# Altium PCB ultra.PcbDoc (part 8 of 9) (continued)
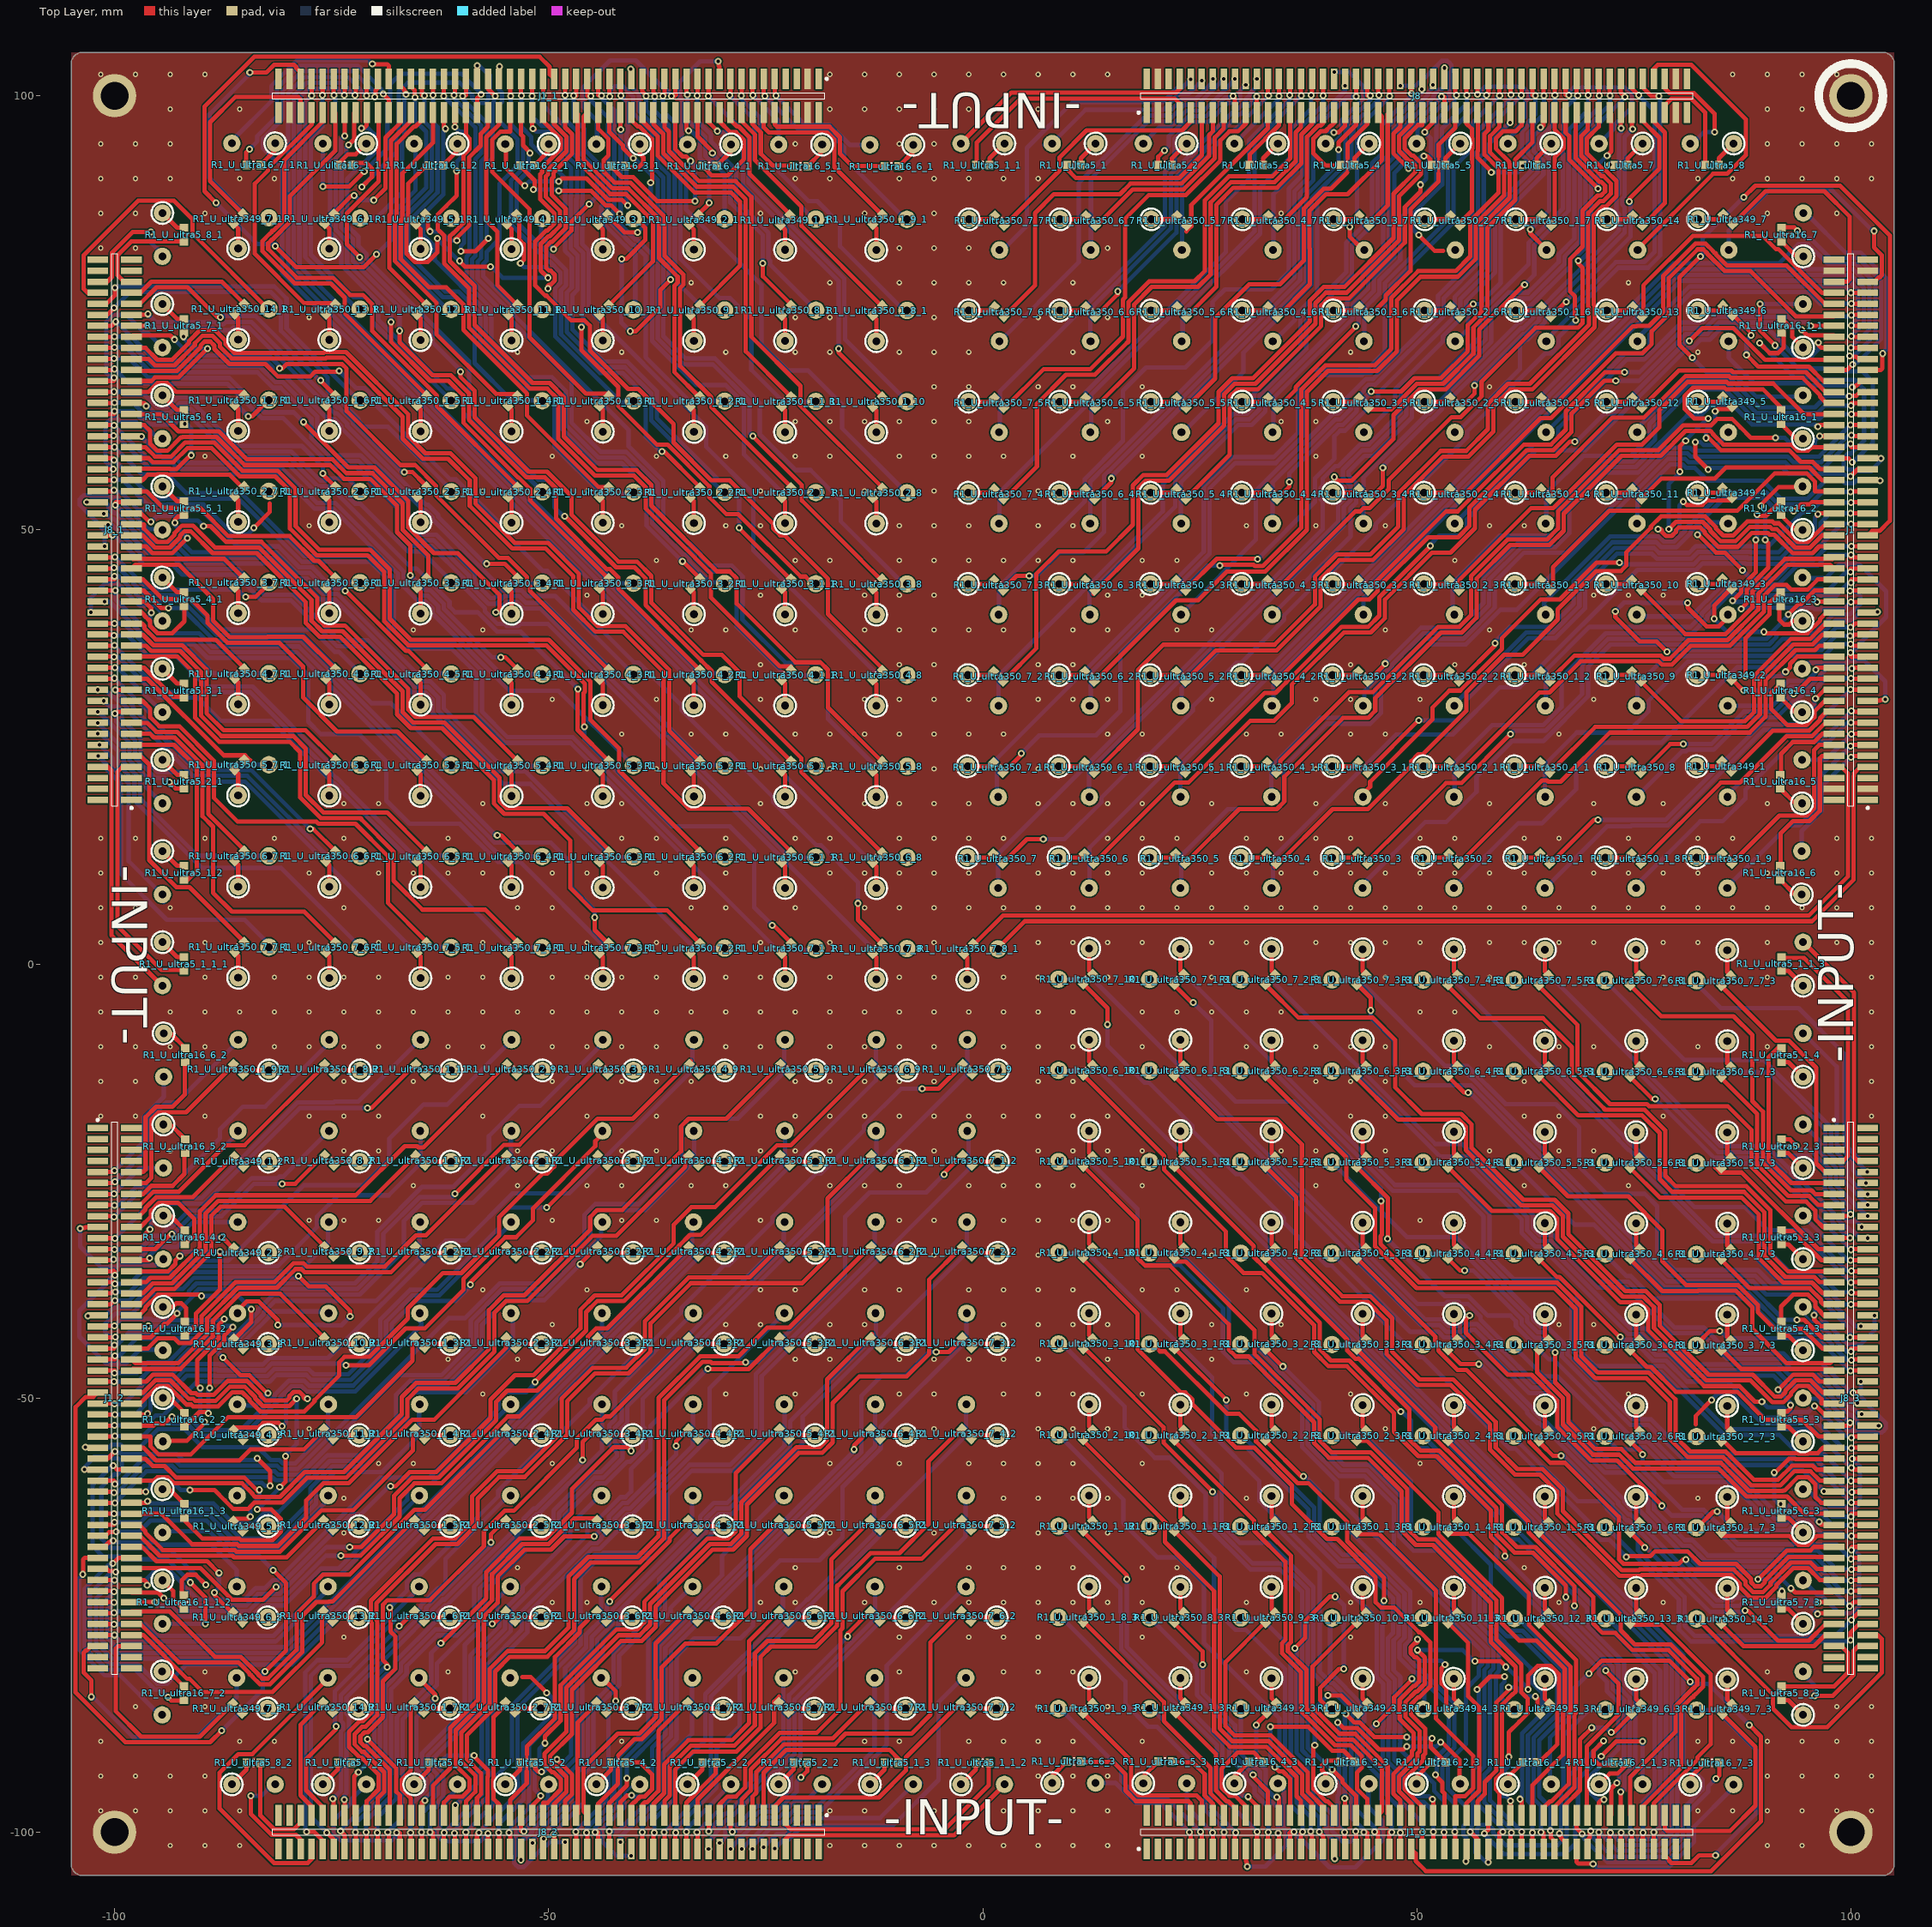
[diagram p0: Top Layer view]
## Nets (pads, with @x,y where several pads share a name; then routed paths per layer and width w, separated by ;. In a path a pad name is that pad's centre, name@x,y a point inside that pad or via, vN(x,y) a via of type N, cw(c..) or ccw(c..) an arc to the next point about the centre after c; other vN are vias at no path point) (continued)
-51.562,-48.311 v2(-51.562,-48.158) ; v2(-96.215,-51.791) -95.85,-51.425 -95.85,-49.42 -94.93,-48.5 -92.768,-48.5 -91.662,-47.394 -88.452,-47.394 -88.401,-47.445 -82.389,-47.445 -81.632,-46.689 -77.636,-46.689 -77.05,-47.275 -73.071,-47.275 -69.374,-43.579 -69.374,-40.946 -65.961,-37.532 -62.861,-37.532 -55.718,-30.389 -55.718,-29.152 -54.632,-28.067 v2(-50.216,-28.067) ; v2(-96.19,-61.874) -95.914,-62.15 -88.61,-62.15 -86.282,-64.478 -84.047,-64.478 -82.714,-63.144 -81.123,-63.144 -75.211,-57.232 -71.512,-57.232 -66.918,-52.638 -66.918,-49.883 -65.717,-48.682 -61.83,-48.682 -57.686,-44.538 -57.686,-41.595 -54.825,-38.735 -50.495,-38.735 v2(-46.355,-34.595) ; v2(-96.164,74.854) -95.268,73.957 -88.424,73.957 -88.139,73.673 -87.476,73.673 -87.192,73.957 -84.251,73.957 -78.103,67.809 -78.103,67.79 -74.395,64.082 -74.149,64.082 -72.568,62.501 -72.568,62.255 -66.98,56.667 v2(-66.624,56.667) ; v2(-96.114,-41.707) -96.108,-41.712 -86.543,-41.712 -86.512,-41.681 -86.385,-41.808 v2(-86.385,-41.834) ; v2(-95.961,-33.884) -95.961,-33.581 -94.98,-32.6 -92.805,-32.6 -91.946,-31.741 -91.946,-31.621 -91.846,-31.521 v2(-87.681,-31.521) ; v2(-95.936,-30.556) -95.8,-30.42 -95.8,-28.42 -94.98,-27.6 -89.678,-27.6 -78.664,-16.586 v2(-70.891,-16.586) ; v2(-95.834,50.902) -95.143,51.593 -93.429,51.593 -93.397,51.625 -92.734,51.625 -92.266,51.157 -92.266,51.069 -90.413,51.069 v2(-89.764,50.419) ; v2(-95.834,84.303) -95.834,83.109 -94.704,81.978 ; v2(-95.758,40.437) -95.758,40.661 -95.982,40.437 -95.9,40.437 -95.9,38.92 -95.08,38.1 -90.28,38.1 -88.751,36.571 -78.796,36.571 -56.731,14.506 -56.731,14.477 -56.224,13.97 -49.759,13.97 -47.396,11.608 -47.396,8.865 -44.704,6.172 v2(-44.704,5.359) ; v2(-95.377,-73.508) -94.935,-73.95 -93.431,-73.95 -92.866,-74.515 -84.529,-74.515 -83.231,-73.218 -80.722,-73.218 -75.677,-68.174 v2(-73.939,-68.174) ; -95.174,-65.354 -89.083,-65.354 -86.319,-68.118 -83.444,-68.118 v2(-81.737,-69.825) ; -94.515,66.244 -93.955,65.684 ; v2(-94.336,-73.05) -94.086,-73.3 -93.162,-73.3 -92.597,-73.865 -84.798,-73.865 -83.501,-72.568 -80.991,-72.568 -75.581,-67.158 -72.949,-67.158 v2(-72.923,-67.183) ; -94.082,-76.022 v2(-89.535,-76.022) ; v2(-93.802,40.996) -92.256,40.996 -88.482,37.221 -78.527,37.221 -56.113,14.808 v2(-55.931,14.808) ; v2(-93.396,-52.146) -93.242,-52.3 -91.376,-52.3 -89.996,-53.681 -85.442,-53.681 -81.547,-49.785 -81.547,-49.621 -79.915,-47.989 -78.175,-47.989 -77.589,-48.575 -72.532,-48.575 -68.074,-44.117 -68.074,-41.484 -65.423,-38.832 -60.727,-38.832 -58.953,-37.059 -59.03,-36.982 v2(-59.03,-36.932) ; v2(-93.396,-31.14) -93.304,-31.14 -91.231,-29.068 -87.691,-29.068 -83.947,-25.324 v2(-80.696,-25.324) ; v2(-93.116,71.933) -91.275,70.091 -82.242,70.091 -80.756,68.605 v2(-81.001,68.605) ; v2(-93.066,50.825) -93.142,50.749 -93.167,50.749 -93.167,50.647 -91.618,49.098 v2(-91.618,49.047) ; v2(-92.812,-40.259) -92.812,-40.132 -90.792,-38.113 -90.792,-37.921 -90.311,-37.44 -72.03,-37.44 -69.067,-34.477 -69.067,-31.083 -64.843,-26.858 -61.174,-26.858 v2(-60.808,-26.492) ; v2(-92.481,-33.655) -91.973,-33.147 v2(-87.859,-33.147) ; v2@-92.05,72.06 -90.881,70.891 v2(-89.306,70.891) ; v2@-91.719,62.23 -91.161,61.671 v2(-91.161,58.598) ; v2(-90.119,-48.844) -90.119,-52.273 v2(-89.662,-52.73) ; v2(-89.992,-38.252) -85.75,-38.252 -84.277,-39.726 v2(-84.277,-39.751) ; v2(-89.205,-51.765) -89.205,-48.997 v2(-89.052,-48.844) ; v2(-88.519,-72.415) -88.519,-72.365 -87.986,-71.831 v2(-87.986,-70.155) ; v2(-88.316,87.655) -83.591,82.931 -81.382,82.931 -81.382,82.804 v2(-81.509,82.677) ; v2(-87.808,74.473) -87.673,74.607 -83.751,74.607 -76.352,67.208 v2(-76.251,67.208) ; v2(-87.655,-88.316) -82.931,-83.591 -82.931,-81.382 -82.804,-81.382 v2(-82.677,-81.509) ; -86.385,94.92 -81.95,99.355 -81.95,101.12 -78.962,104.109 -70.835,104.109 -70.409,103.683 v2(-70.307,103.683) ; -85.868,-50.851 -83.744,-50.851 v2(-82.347,-49.454) ; -85.738,-60.922 -84.595,-59.779 -83.006,-59.779 -82.663,-60.122 v2(-82.093,-60.122) ; v2(-84.455,93.853) -83.55,94.758 -83.55,95.374 -81.3,97.624 -81.3,100.851 -78.692,103.459 -71.963,103.459 -69.228,100.724 -69.228,100.368 v2(-69.063,100.203) ; v2(-84.43,102.667) -84.43,102.514 -89.078,97.866 -89.078,90.526 -84.506,85.954 -81.737,85.954 ; v2(-84.379,-63.678) -84.379,-62.521 -83.337,-61.48 v2(-83.337,-60.579) ; v2(-84.303,-95.834) -83.109,-95.834 -81.978,-94.704 ; v2(-83.566,-62.84) v2@-83.485,-62.84 ; v2@-83.414,-62.84 v2@-83.485,-62.84 ; -81.925,57.065 -81.924,57.066 ; v2(-81.407,-71.755) -81.097,-71.755 -72.71,-63.368 -71.597,-63.368 -68.377,-60.147 -68.351,-60.173 v2(-68.199,-60.173) ; v2(-81.204,-41.605) -75.95,-41.605 -75.923,-41.632 -73.89,-41.632 v2(-72.873,-40.615) ; v2(-80.975,-60.274) -80.975,-60.33 v2@-83.485,-62.84 ; v2(-80.696,-53.264) -80.247,-52.815 -80.247,-50.159 -79.376,-49.289 -78.713,-49.289 -77.939,-50.063 v2(-77.775,-50.063) ; v2(-80.315,-56.718) -80.264,-56.667 -80.264,-56.5 -80.249,-56.5 -79.045,-55.296 v2(-79.045,-50.089) ; v2(-77.902,-99.974) -78.05,-99.826 -78.05,-81.606 -76.626,-80.182 -73.19,-80.182 -64.627,-71.619 ; v2(-77.318,100.025) -78.05,99.293 -78.05,81.428 -72.2,75.578 ; v2(-76.048,100.051) -76.048,96.432 -77.4,95.08 -77.4,81.697 -72.52,76.818 -71.152,76.818 -70.289,75.954 -70.289,73.946 -61.62,65.278 ; v2(-76.022,89.535) -76.022,94.082 ; v2(-75.565,-100.051) -77.4,-98.216 -77.4,-82.012 -76.22,-80.832 -72.921,-80.832 -67.54,-75.451 -66.877,-75.451 -66.864,-75.463 -66.07,-75.463 -64.732,-74.125 -64.732,-73.88 -62.77,-71.918 -62.525,-71.918 -61.864,-71.257 -61.864,-68.494 -55.042,-61.671 ; v2(-74.854,-96.164) -73.957,-95.268 -73.957,-88.424 -73.673,-88.139 -73.673,-87.476 -73.957,-87.192 -73.957,-84.251 -67.809,-78.103 -67.79,-78.103 -64.082,-74.395 -64.082,-74.149 -62.501,-72.568 -62.255,-72.568 -56.667,-66.98 v2(-56.667,-66.624) ; v2(-74.727,100.051) -74.6,99.924 -74.6,93.7 -75.165,93.135 -75.165,84.26 -73.868,82.962 -73.868,80.452 -69.639,76.223 -69.639,74.215 -61.716,66.293 -60.652,66.293 -59.832,65.473 -59.832,63.49 -50.721,54.379 ; v2(-74.473,-87.808) -74.607,-87.673 -74.607,-83.751 -67.208,-76.352 v2(-67.208,-76.251) ; v2(-74.143,68.301) -72.16,66.318 -71.152,66.318 -70.332,65.498 -70.332,64.795 -61.33,55.793 -60.652,55.793 -55.668,50.808 -55.668,50.252 -50.683,45.268 -50.152,45.268 -45.168,40.283 -45.168,39.727 -40.183,34.743 -39.652,34.743 -34.668,29.758 -34.668,29.202 -29.683,24.218 -29.152,24.218 -24.168,19.233 -24.168,18.677 -19.183,13.693 -18.652,13.693 -14.376,9.417 v2(-14.376,6.985) ; v2(-73.965,-99.847) -73.965,-99.797 -69.5,-95.332 -69.5,-92.843 -69.441,-92.785 -69.441,-82.512 -68.73,-81.801 -68.249,-81.801 -67.691,-81.243 -67.691,-80.366 -62.782,-75.457 -62.782,-74.688 -61.962,-73.868 -61.717,-73.868 -52.257,-64.408 -52.257,-64.188 -51.437,-63.368 -51.213,-63.368 -43.866,-56.021 -43.866,-50.343 ; v2(-73.533,-96.266) -73.533,-95.763 -73.307,-95.537 -73.307,-88.75 -73,-88.443 -73,-86.655 -73.307,-86.348 -73.307,-84.52 -67.54,-78.753 -67.521,-78.753 -63.432,-74.664 -63.432,-74.419 -62.231,-73.218 -61.986,-73.218 -52.907,-64.139 -52.907,-63.919 -51.706,-62.718 -51.486,-62.718 -46.101,-57.333 v2(-46.101,-57.125) ; v2(-73.533,100.051) -74.333,100.851 -76.379,100.851 -76.404,100.825 -77.649,100.825 -78.7,99.774 -78.7,80.406 -62.632,64.338 -62.632,64.288 -42.21,43.866 -40.742,43.866 ; v2(-73.508,95.377) -73.95,94.935 -73.95,93.431 -74.515,92.866 -74.515,84.529 -73.218,83.231 -73.218,80.722 -68.174,75.677 v2(-68.174,73.939) ; v2(-73.05,94.336) -73.3,94.086 -73.3,93.162 -73.865,92.597 -73.865,84.798 -72.568,83.501 -72.568,80.991 -67.158,75.581 -67.158,72.949 v2(-67.183,72.923) ; v2(-72.415,88.519) -72.365,88.519 -71.831,87.986 v2(-70.155,87.986) ; v2(-72.314,100.051) -73.764,101.501 -77.893,101.501 -79.35,100.043 -79.35,80.136 -63.282,64.069 -63.282,64.019 -32.741,33.477 -29.732,33.477 ; v2(-72.263,-100) -72.263,-99.014 -68.85,-95.601 -68.85,-93.112 -68.791,-93.054 -68.791,-83.263 -67.005,-81.476 -67.005,-80.599 -63.074,-76.668 -60.802,-76.668 -58.598,-74.463 -58.598,-71.668 -53.098,-66.168 -50.277,-66.168 -49.457,-65.348 -49.457,-62.978 -45.011,-58.532 -43.993,-58.532 -42.139,-56.678 -42.139,-56.28 -43.032,-55.386 -43.032,-53.149 -42.382,-52.499 -42.382,-49.24 -33.359,-40.217 ; v2@-72.06,-92.05 -70.891,-90.881 v2(-70.891,-89.306) ; v2(-71.933,-93.116) -70.091,-91.275 -70.091,-82.242 -68.605,-80.756 v2(-68.605,-81.001) ; v2(-71.755,81.407) -71.755,81.097 -63.368,72.71 -63.368,71.597 -60.147,68.377 -60.173,68.351 v2(-60.173,68.199) ; v2(-71.577,96.241) -70.761,96.241 -69.6,95.08 -69.6,93.92 -71.458,92.062 -71.578,92.062 -73.215,90.425 -73.215,85.067 -71.918,83.77 -71.918,82.701 -70.955,81.738 -70.955,81.217 -59.182,69.444 -59.182,63.759 -51.191,55.768 -50.152,55.768 -49.332,54.948 -49.332,52.583 -48.311,51.562 v2(-48.158,51.562) ; v2(-71.526,89.484) -71.526,89.535 -67.55,93.511 -67.55,95.324 -67.274,95.6 -67.274,100.456 -66.206,101.524 -60.274,101.524 -58.801,100.051 -58.801,99.67 -58.318,99.187 -57.328,99.187 -56.959,99.555 -56.959,100.306 -56.769,100.496 -56.769,102.387 ; -71.374,85.928 -69.825,85.928 -66.9,88.853 -66.9,95.055 -66.624,95.331 -66.624,100.152 v2(-66.446,100.152) ; -71.272,-94.259 -71.272,-94.742 -72.733,-96.203 -72.733,-96.597 -74.765,-98.629 -74.765,-100.179 -74.004,-100.94 -68.047,-100.94 -67.513,-100.406 v2(-67.513,-100.076) ; v2(-71.247,91.262) -68.58,93.929 -68.58,98.984 -68.25,99.314 -68.25,101.346 -67.081,102.514 -60.02,102.514 v2@-57.975,100.47 ; v2(-71.018,-100.025) -71.018,-98.689 -68.194,-95.865 -68.194,-95.624 -68.2,-95.618 -68.2,-93.382 -68.141,-93.323 -68.141,-83.532 -66.355,-81.746 -66.355,-80.868 -62.805,-77.318 -60.533,-77.318 -57.948,-74.732 -57.948,-71.937 -52.828,-66.818 -50.008,-66.818 -48.807,-65.617 -48.807,-63.248 -44.742,-59.182 -43.724,-59.182 -41.489,-56.947 -41.489,-56.011 -42.382,-55.117 -42.382,-53.419 -41.589,-52.625 -41.589,-50.458 -22.911,-31.78 -22.911,-29.972 ; v2(-70.993,100.025) -73.127,102.159 -78.154,102.159 -80,100.313 -80,79.817 -22.967,22.784 -19.685,22.784 ; v2(-70.028,99.873) -70.028,100.355 -72.481,102.809 -78.423,102.809 -80.65,100.582 -80.65,97.355 -82.9,95.105 -82.9,93.945 -80.696,91.741 -80.696,79.594 -13.421,12.319 -8.23,12.319 ; v2(-69.825,81.737) -68.118,83.444 -68.118,86.319 -65.354,89.083 -65.354,95.174 ; v2(-69.748,-100.076) -69.748,-98.338 -67.544,-96.134 -67.544,-95.355 -67.55,-95.349 -67.55,-93.651 -67.491,-93.592 -67.491,-86.761 -63.543,-82.812 -63.543,-79.367 v2(-62.408,-78.232) ; v2(-68.529,-100.025) -68.529,-99.961 -67.845,-99.276 -67.78,-99.276 -66.894,-98.39 -66.894,-95.085 -66.9,-95.08 -66.9,-93.92 -66.841,-93.862 -66.841,-87.03 -62.893,-83.081 -62.893,-80.597 -57.298,-75.002 -57.298,-72.206 -52.559,-67.468 -49.739,-67.468 -48.157,-65.886 -48.157,-63.517 -44.473,-59.832 -43.454,-59.832 -40.95,-57.328 -40.589,-57.328 -39.147,-55.885 -39.147,-55.062 -38.932,-54.848 -38.932,-53.474 -39.147,-53.259 -39.147,-50.06 -1.778,-12.691 -1.778,-8.103 ; v2(-68.301,-74.143) -66.318,-72.16 -66.318,-71.152 -65.498,-70.332 -64.795,-70.332 -55.793,-61.33 -55.793,-60.652 -50.808,-55.668 -50.252,-55.668 -45.268,-50.683 -45.268,-50.152 -40.283,-45.168 -39.727,-45.168 -34.743,-40.183 -34.743,-39.652 -29.758,-34.668 -29.202,-34.668 -24.218,-29.683 -24.218,-29.152 -19.233,-24.168 -18.677,-24.168 -13.693,-19.183 -13.693,-18.652 -9.417,-14.376 v2(-6.985,-14.376) ; -66.244,-94.515 -65.684,-93.955 ; v2(-65.938,44.755) -64.241,43.057 -63.649,43.057 -62.068,41.476 -62.068,40.884 -56.515,35.331 v2(-55.499,35.331) ; v2(-65.913,-100.051) -65.913,-99.247 -65.594,-98.929 -65.594,-96.574 -64.1,-95.08 -64.1,-93.92 -65.227,-92.793 -65.227,-86.766 v2(-63.068,-84.607) ; v2(-65.405,99.822) -65.405,97.18 -64.1,95.875 -64.1,89.418 -67.468,86.05 -67.468,81.158 -61.595,75.286 ; v2(-64.643,-100) -64.643,-97.905 -63.437,-96.699 -63.437,-96.255 -62.8,-95.618 -62.8,-93.382 -63.927,-92.254 -63.927,-91.187 -59.015,-86.274 -59.015,-82.733 -59.016,-82.731 -59.016,-79.655 -55.69,-76.328 -55.69,-75.665 -55.899,-75.457 -55.899,-73.12 -54.966,-72.187 ; v2(-64.287,100.025) -64.287,96.982 -63.45,96.144 -63.45,89.148 -66.818,85.781 -66.818,81.428 -62.183,76.793 -60.652,76.793 -58.532,74.672 -58.532,69.2 -54.254,64.922 -50.732,64.922 ; v2(-64.237,-96.368) -64.237,-96.136 -63.45,-95.349 -63.45,-93.651 -64.577,-92.524 -64.577,-90.918 -59.665,-86.005 -59.665,-83.002 -59.666,-83.001 -59.666,-78.442 -57.221,-75.997 v2(-56.49,-75.997) ; v2(-63.678,84.379) -62.521,84.379 -61.48,83.337 v2(-60.579,83.337) ; v2(-63.652,-100) -63.652,-97.834 -62.787,-96.968 -62.787,-96.524 -62.15,-95.888 -62.15,-93.112 -63.277,-91.985 -63.277,-91.456 -58.365,-86.544 -58.365,-82.464 -58.366,-82.462 -58.366,-79.924 -55.04,-76.597 -55.04,-74.334 -53.018,-72.312 -53.018,-71.712 -47.507,-66.202 -47.507,-64.627 -44.003,-61.122 ; v2(-63.322,100.051) -63.322,96.936 -62.8,96.413 -62.8,88.879 -66.168,85.511 -66.168,81.697 -61.914,77.443 -60.383,77.443 -57.882,74.942 -57.882,71.242 -52.907,66.268 -50.152,66.268 -49.332,65.448 -49.332,59.543 -43.942,54.153 -40.232,54.153 ; v2@-62.84,83.414 v2@-62.84,83.485 ; v2(-62.84,83.566) v2@-62.84,83.485 ; v2@-62.23,-91.719 -61.671,-91.161 v2(-58.598,-91.161) ; v2(-62.078,99.974) -58.45,96.347 -58.45,93.626 -59.1,92.976 -59.1,81.822 -59.468,81.454 -59.468,78.366 -56.582,75.48 -56.582,71.781 -52.369,67.568 -49.614,67.568 -48.032,65.986 -48.032,62.099 -44.269,58.336 -41.326,58.336 -38.085,55.095 -38.085,50.764 -34.476,47.155 -34.263,47.155 -33.795,46.686 -33.795,46.368 -31.369,43.942 -30.099,43.942 ; v2(-62.052,-100.051) -57.7,-95.698 -57.7,-93.382 -57.065,-92.746 -57.065,-80.671 -53.107,-76.713 -53.107,-74.593 -45.252,-66.738 -44.423,-66.738 -43.955,-66.27 -43.955,-66.058 -42.407,-64.51 -42.407,-63.919 -41.206,-62.718 -40.615,-62.718 -33.401,-55.504 -33.401,-50.114 ; v2(-61.874,96.19) -62.15,95.914 -62.15,88.61 -64.478,86.282 -64.478,84.047 -63.144,82.714 -63.144,81.123 -57.232,75.211 -57.232,71.512 -52.638,66.918 -49.883,66.918 -48.682,65.717 -48.682,61.83 -44.538,57.686 -41.595,57.686 -38.735,54.825 -38.735,50.495 v2(-34.595,46.355) ; -60.922,85.738 -59.779,84.595 -59.779,83.006 -60.122,82.663 v2(-60.122,82.093) ; v2(-60.884,100.051) -60.884,99.7 -57.8,96.616 -57.8,93.357 -58.45,92.707 -58.45,81.553 -58.818,81.185 -58.818,78.636 -47.382,67.2 -47.382,62.368 -44,58.986 -41.057,58.986 -37.435,55.364 -37.435,51.034 -34.206,47.805 -33.994,47.805 -33.145,46.956 -33.145,46.637 -31.726,45.218 -29.152,45.218 -28.332,44.398 -28.332,38.822 -22.733,33.223 -19.66,33.223 ; v2(-60.833,-100.127) -60.833,-99.751 -57.05,-95.968 -57.05,-93.651 -56.415,-93.015 -56.415,-80.94 -52.457,-76.982 -52.457,-74.862 -44.983,-67.388 -44.154,-67.388 -41.757,-64.991 -41.757,-64.188 -40.937,-63.368 -40.346,-63.368 -31.471,-54.493 -31.471,-48.87 -23.178,-40.576 ; v2(-60.808,96.393) -60.29,95.875 -59.92,95.875 -59.1,95.055 -59.1,93.895 -60.604,92.391 v2(-60.604,91.313) ; v2(-60.757,-96.901) -58.35,-94.494 -58.35,-93.112 -57.715,-92.477 -57.715,-82.194 -57.716,-82.193 -57.716,-81.654 -57.715,-81.653 -57.715,-81.28 -57.716,-81.278 -57.716,-80.193 -54.39,-76.867 -54.39,-75.472 -54.331,-75.413 -54.331,-74.544 -45.555,-65.768 -45.555,-65.228 -41.745,-61.418 -41.153,-61.418 -40.515,-60.78 -40.515,-58.173 -38.282,-55.94 -38.282,-53.243 v2(-31.674,-46.634) ; -60.63,-95.098 -61.5,-95.968 -61.5,-96.157 -62.137,-96.793 -62.137,-97.237 -62.459,-97.559 -62.459,-99.326 -62.852,-99.719 -62.852,-100.382 -62.168,-101.067 -57.887,-101.067 v2(-56.998,-100.178) ; v2(-60.274,80.975) -60.33,80.975 v2@-62.84,83.485 ; v2(-59.919,99.949) -59.919,99.654 -57.15,96.885 -57.15,93.087 -57.8,92.437 -57.8,81.284 -58.168,80.915 -58.168,78.905 -40.788,61.524 -40.788,59.636 -36.785,55.633 -36.785,51.303 -33.937,48.455 -33.725,48.455 -32.495,47.225 -32.495,46.906 -31.456,45.868 -28.883,45.868 -27.682,44.667 -27.682,39.671 -22.704,34.693 -18.652,34.693 -17.832,33.873 -17.832,28.246 -12.446,22.86 -9.093,22.86 ; v2(-59.538,-100) -56.4,-96.862 -56.4,-93.92 -54.225,-91.745 -54.225,-85.417 -46.99,-78.181 -46.99,-70.315 -44.714,-68.038 -43.885,-68.038 -43.665,-67.818 -38.379,-67.818 -36.957,-66.396 -36.957,-60.898 -33.767,-57.709 -29.083,-57.709 -26.111,-54.737 -26.111,-47.219 -12.446,-33.553 -12.446,-30.328 ; v2(-58.242,103.454) -57.963,103.454 -56.832,102.324 ; v2(-58.039,-100.051) -53.543,-95.555 -53.543,-94.237 -53.575,-94.205 -53.575,-85.686 -46.34,-78.45 -46.34,-70.584 -44.444,-68.688 -43.616,-68.688 -43.395,-68.468 -38.11,-68.468 -36.307,-66.665 -36.307,-61.168 -33.498,-58.359 -28.814,-58.359 -25.461,-55.006 -25.461,-47.488 -1.651,-23.678 -1.651,-19.888 ; -57.066,-81.924 -57.065,-81.925 ; v2(-56.947,83.566) -57.125,83.566 -57.15,83.591 -57.15,92.168 -56.439,92.879 -56.439,99.157 -56.309,99.286 -56.309,99.824 v2(-56.159,99.974) ; v2(-56.718,80.315) -56.667,80.264 -56.5,80.264 -56.5,80.249 -55.296,79.045 v2(-50.089,79.045) ; v2(-56.083,40.513) -56.067,40.513 -54.848,41.732 -53.688,41.732 -52.895,40.939 -50.933,40.939 -22.237,12.243 -19.232,12.243 ; v2(-55.753,-100.051) -55.753,-99.071 -52.893,-96.212 -52.893,-93.968 -52.925,-93.935 -52.925,-89.766 -49.507,-86.348 -49.507,-84.656 -50.19,-83.972 v2(-50.216,-83.972) ; v2(-55.651,103.353) -55.651,100.75 -55.728,100.674 -55.359,100.306 -55.359,99.317 -55.728,98.949 -55.728,97.157 -53.6,95.03 -53.6,91.915 -55.651,89.863 -55.651,83.515 -57.15,82.017 -57.15,81.014 -57.518,80.646 -57.518,79.174 -53.757,75.413 -51.308,75.413 ; v2(-54.585,-100.051) -54.307,-99.773 -54.307,-99.23 -52.243,-97.166 -52.243,-93.698 -52.275,-93.666 -52.275,-90.035 -48.082,-85.842 -48.082,-81.112 -45.69,-78.72 -45.69,-77.237 -43.942,-75.489 -43.942,-72.111 ; v2(-54.381,99.949) -54.381,96.731 -52.95,95.299 -52.95,91.645 -54.331,90.265 -54.331,85.173 -50.054,80.897 -49.89,80.897 -48.639,79.645 -48.639,78.444 -49.225,77.858 -49.225,72.263 -41.63,64.667 -41.352,64.667 -41.097,64.922 -41.046,64.922 -40.996,64.973 -40.691,64.973 ; v2(-53.264,80.696) -52.815,80.247 -50.159,80.247 -49.289,79.376 -49.289,78.713 -50.063,77.939 v2(-50.063,77.775) ; v2(-53.188,-103.2) -53.188,-101.08 -52.805,-100.698 -52.526,-100.698 -52.047,-100.219 -52.047,-100.161 -51.897,-100.011 -51.897,-99.781 -51.503,-99.387 -51.503,-99.384 -50.273,-98.154 -50.27,-98.154 -50.05,-97.934 -50.032,-97.934 -47.95,-95.852 -47.95,-92.571 -46.782,-91.403 -46.782,-81.65 -44.39,-79.258 -44.39,-77.775 -42.642,-76.027 -42.642,-74.367 -33.503,-65.227 -33.503,-61.011 ; v2(-53.137,100) -53.137,96.405 -51.994,95.262 -51.994,94.375 -48.538,90.919 -48.513,90.919 -48.044,90.451 -48.044,89.788 -48.095,89.737 -48.095,89.435 -48.044,89.384 -48.044,88.721 -48.095,88.67 -48.095,82.119 -47.339,81.363 -47.339,77.906 -47.925,77.319 -47.925,72.801 -43.848,68.724 -41.215,68.724 -38.182,65.692 -38.182,62.592 -29.82,54.23 ; v2(-52.857,-99.898) -52.703,-99.898 -52.547,-99.742 -52.547,-99.509 -50.322,-97.284 -50.301,-97.284 -48.6,-95.583 -48.6,-92.302 -47.432,-91.134 -47.432,-81.381 -45.04,-78.989 -45.04,-77.506 -43.292,-75.758 -43.292,-73.772 v2(-42.977,-73.457) ; v2(-52.73,89.662) -52.273,90.119 v2(-48.844,90.119) ; v2(-52.146,93.396) -52.3,93.242 -52.3,91.376 -53.681,89.996 -53.681,85.442 -49.785,81.547 -49.621,81.547 -47.989,79.915 -47.989,78.175 -48.575,77.589 -48.575,72.532 -44.117,68.074 -41.484,68.074 -38.832,65.423 -38.832,60.727 -37.059,58.953 -36.982,59.03 v2(-36.932,59.03) ; v2(-51.892,99.974) -51.892,97.587 -50.805,96.5 -49.151,96.5 -47.85,95.199 -47.85,93.037 -46.744,91.932 -46.744,88.183 -46.795,88.132 -46.795,82.658 -46.039,81.902 -46.039,73.671 -46.228,73.482 v2(-46.228,73.355) ; v2(-51.867,-101.244) -51.867,-100.958 -51.397,-100.488 -51.397,-100.43 -51.247,-100.28 -51.247,-100.05 -50.853,-99.656 -50.853,-99.653 -50.004,-98.804 -50.001,-98.804 -49.781,-98.584 -49.763,-98.584 -47.3,-96.122 -47.3,-92.84 -46.132,-91.672 -46.132,-81.92 -43.74,-79.527 -43.74,-78.045 -41.992,-76.297 -41.992,-74.636 -32.557,-65.201 -32.557,-63.649 -30.976,-62.068 -29.424,-62.068 -22.835,-55.478 -22.835,-51.206 ; v2(-51.791,96.215) -51.425,95.85 -49.42,95.85 -48.5,94.93 -48.5,92.768 -47.394,91.662 -47.394,88.452 -47.445,88.401 -47.445,82.389 -46.689,81.632 -46.689,77.636 -47.275,77.05 -47.275,73.071 -43.579,69.374 -40.946,69.374 -37.532,65.961 -37.532,62.861 -30.389,55.718 -29.152,55.718 -28.067,54.632 v2(-28.067,50.216) ; v2(-51.765,89.205) -48.997,89.205 v2(-48.844,89.052) ; v2(-50.902,-95.834) -51.593,-95.143 -51.593,-93.429 -51.625,-93.397 -51.625,-92.734 -51.157,-92.266 -51.069,-92.266 -51.069,-90.413 v2(-50.419,-89.764) ; -50.851,85.868 -50.851,83.744 v2(-49.454,82.347) ; v2(-50.825,-93.066) -50.749,-93.142 -50.749,-93.167 -50.647,-93.167 -49.098,-91.618 v2(-49.047,-91.618) ; v2(-50.673,100.025) -50.673,98.941 -47.2,95.468 -47.2,93.307 -46.094,92.201 -46.094,87.913 -46.145,87.863 -46.145,82.927 -45.389,82.171 -45.389,75.408 -32.688,62.707 -32.688,62.682 -31.868,61.862 -31.868,59.579 -26.416,54.127 -26.416,47.625 -12.243,33.452 -8.255,33.452 ; v2(-50.597,-100.762) -50.597,-100.319 -50.203,-99.925 -50.203,-99.922 -49.734,-99.454 -49.731,-99.454 -49.512,-99.234 -49.493,-99.234 -46.645,-96.386 -46.645,-93.104 -45.482,-91.942 -45.482,-85.752 -42.543,-82.812 -42.543,-79.408 -37.262,-74.127 -37.262,-70.825 -31.907,-65.47 -31.907,-63.919 -30.706,-62.718 -29.155,-62.718 -22.185,-55.748 -22.185,-52.665 -12.319,-42.799 -12.319,-40.488 ; -50.102,-94.132 -50.102,-96.166 -50.57,-96.634 -50.592,-96.634 -53.056,-99.098 -53.189,-99.098 -53.657,-99.567 -53.657,-100.043 -53.785,-100.17 -53.785,-100.758 -53.838,-100.811 -53.838,-102.719 -53.988,-102.869 -53.988,-103.532 -53.785,-103.735 -53.785,-103.797 -53.722,-103.797 -53.519,-104 -52.856,-104 -50.418,-101.562 -50.265,-101.562 -49.846,-101.143 v2(-48.108,-101.143) ; v2(-49.403,-100.254) -49.403,-100.063 -45.995,-96.655 -45.995,-93.374 -44.832,-92.211 -44.832,-86.021 -41.893,-83.081 -41.893,-79.677 -36.612,-74.396 -36.612,-71.094 -31.257,-65.74 -31.257,-64.188 -30.437,-63.368 -28.885,-63.368 -20.732,-55.215 -20.732,-52.131 -1.829,-33.228 -1.829,-30.48 ; v2(-48.108,100.051) -48.108,97.295 -46.55,95.738 -46.55,93.576 -44.4,91.426 -44.4,88.467 -44.856,88.011 -45.339,87.528 v2(-45.339,87.503) ; v2(-47.117,100.025) -47.117,97.409 -45.9,96.192 -45.9,93.845 -43.75,91.695 -43.75,87.439 -43.934,87.255 -43.934,85.516 -41.851,83.433 -41.851,83.407 -40.621,82.177 -40.394,82.177 -40.03,81.813 -40.03,75.819 ; v2(-46.888,-99.974) -46.888,-99.895 -44.167,-97.174 -44.088,-97.174 -43.355,-96.441 -43.355,-95.621 -43.1,-95.366 -43.1,-85.772 -42.291,-84.963 v2(-42.291,-84.912) ; v2(-45.872,27.305) -45.872,25.857 -35.865,15.85 -29.134,15.85 -26.314,13.03 -26.314,6.528 v2(-24.232,4.445) ; v2(-45.644,-100.076) -45.644,-99.57 -43.897,-97.824 -43.818,-97.824 -42.705,-96.711 -42.705,-95.89 -42.45,-95.635 -42.45,-91.872 -38.521,-87.943 -38.521,-77.225 -35.962,-74.666 -35.962,-74.163 -33.63,-71.831 ; v2(-45.136,99.974) -45.136,99.466 -43.1,97.431 -43.1,96.771 -43.157,96.714 -43.157,95.513 -43.1,95.456 -43.1,87.17 -43.284,86.986 -43.284,85.785 -41.201,83.702 -41.201,83.677 -40.352,82.827 -40.125,82.827 -38.832,81.534 -38.832,69.896 -33.807,64.872 -29.362,64.872 ; v2(-44.755,-65.938) -43.057,-64.241 -43.057,-63.649 -41.476,-62.068 -40.884,-62.068 -35.331,-56.515 v2(-35.331,-55.499) ; v2(-44.628,-100.025) -44.628,-99.473 -43.628,-98.474 -43.549,-98.474 -42.055,-96.98 -42.055,-96.16 -41.8,-95.904 -41.8,-92.141 -37.871,-88.212 -37.871,-78.257 -30.023,-70.409 -30.023,-68.174 -23.292,-61.443 ; -44.425,94.209 -44.425,97.104 -46.025,98.704 -46.025,100.965 -42.926,104.064 -39.954,104.064 -36.639,100.749 -36.499,100.749 -36.03,100.28 -36.03,100.14 v2(-35.865,99.974) ; v2(-43.917,100.025) -43.917,99.827 -43.751,99.662 -43.751,99.592 -43.283,99.124 -43.213,99.124 -42.45,98.36 -42.45,96.502 -42.507,96.445 -42.507,95.782 -42.45,95.725 -42.45,86.901 -42.634,86.717 -42.634,86.054 -40.551,83.971 -40.551,83.946 -40.082,83.477 -39.856,83.477 -38.09,81.711 -38.09,71.76 -33.004,66.675 -29.61,66.675 -27.508,64.574 -27.508,58.699 -23.165,54.356 -19.66,54.356 ; v2(-43.028,-99.924) -42.024,-99.924 -37.45,-95.349 -37.45,-90.549 -35.921,-89.02 -35.921,-79.065 -14.237,-57.381 -14.208,-57.381 -12.395,-55.568 -12.395,-50.952 ; v2(-42.951,99.924) -42.951,100.533 -42.393,101.092 -41.453,101.092 -40.236,99.875 -40.236,97.961 -38.1,95.825 -38.1,91.699 -37.843,91.442 -37.652,91.442 -36.79,90.58 -36.79,72.299 -34.208,69.717 -30.814,69.717 -25.692,64.596 -25.692,61.024 -21.539,56.871 -19.83,56.871 -16.332,53.373 -16.332,50.952 -9.148,43.768 -8.732,43.768 ; v2(-41.834,86.385) -41.808,86.385 -41.681,86.512 -41.712,86.543 -41.712,96.108 v2(-41.707,96.114) ; v2(-41.732,-101.143) -41.732,-100.551 -36.8,-95.618 -36.8,-90.818 -35.271,-89.289 -35.271,-79.715 -33.255,-77.699 -27.915,-77.699 -26.492,-76.276 -26.492,-71.857 -23.343,-68.707 -18.821,-68.707 -16.154,-66.04 -16.154,-60.247 -11.745,-55.838 -11.745,-53.274 -1.88,-43.409 -1.88,-40.232 ; v2(-41.681,100.025) -41.681,99.974 -40.907,99.2 -40.907,95.782 -41.057,95.632 -41.057,94.374 -41.059,94.371 -41.059,92.48 -41.057,92.478 -41.057,87.287 -40.912,87.143 v2(-40.912,87.355) ; v2(-41.605,81.204) -41.605,75.95 -41.632,75.923 -41.632,73.89 v2(-40.615,72.873) ; -41.225,-96.609 -41.225,-97.069 -43.28,-99.124 -43.359,-99.124 -43.828,-99.592 -43.828,-101.028 -43.866,-101.067 -42.215,-102.718 v2(-40.513,-102.718) ; v2(-40.996,-93.802) -40.996,-92.256 -37.221,-88.482 -37.221,-78.527 -14.808,-56.113 v2(-14.808,-55.931) ; v2(-40.564,103.073) -40.564,101.122 -39.586,100.144 -39.586,98.23 -37.45,96.094 -37.45,92.16 -36.14,90.849 -36.14,78.943 -36.013,78.816 v2(-35.941,78.816) ; v2(-40.513,-56.083) -40.513,-56.067 -41.732,-54.848 -41.732,-53.688 -40.939,-52.895 -40.939,-50.933 -12.243,-22.237 -12.243,-19.232 ; v2(-40.437,-95.758) -40.661,-95.758 -40.437,-95.982 -40.437,-95.9 -38.92,-95.9 -38.1,-95.08 -38.1,-90.28 -36.571,-88.751 -36.571,-78.796 -14.506,-56.731 -14.477,-56.731 -13.97,-56.224 -13.97,-49.759 -11.608,-47.396 -8.865,-47.396 -6.172,-44.704 v2(-5.359,-44.704) ; v2(-40.259,92.812) -40.132,92.812 -38.113,90.792 -37.921,90.792 -37.44,90.311 -37.44,72.03 -34.477,69.067 -31.083,69.067 -26.858,64.843 -26.858,61.174 v2(-26.492,60.808) ; v2(-39.751,84.277) -39.726,84.277 -38.252,85.75 v2(-38.252,89.992) ; v2(-39.218,-100.025) -39.218,-98.955 -36.15,-95.888 -36.15,-91.338 -33.503,-88.691 -33.503,-81.636 ; v2(-38.786,99.974) -38.786,98.349 -36.8,96.363 -36.8,92.429 -35.49,91.118 -35.49,79.496 -35.141,79.148 -35.141,78.423 -32.131,75.413 -30.048,75.413 ; v2(-37.821,-100.076) -37.821,-98.477 -35.5,-96.157 -35.5,-92.964 -31.953,-89.417 -31.953,-86.621 -31.957,-86.617 -31.957,-84.103 -23.038,-75.184 -23.038,-71.732 ; v2(-37.795,99.924) -37.795,98.278 -36.15,96.633 -36.15,92.698 -34.84,91.388 -34.84,81.22 -30.337,76.718 -29.118,76.718 -26.645,74.244 -26.645,68.428 -22.987,64.77 -19.232,64.77 ; v2(-36.83,99.949) -36.83,98.232 -35.5,96.902 -35.5,92.967 -34.19,91.657 -34.19,86.92 -25.502,78.232 -25.502,71.374 -22.479,68.351 -20.117,68.351 -16.18,64.414 -16.18,61.671 -9.042,54.534 ; v2(-36.678,-100) -31.303,-94.625 -31.303,-86.352 -31.307,-86.348 -31.307,-84.373 -21.432,-74.498 -21.432,-74.419 -20.231,-73.218 -20.152,-73.218 -12.497,-65.562 -12.497,-61.519 ; v2(-35.382,-100.051) -35.382,-99.624 -30.653,-94.895 -30.653,-90.399 -27.991,-87.736 -27.991,-81.975 -20.782,-74.767 -20.782,-74.688 -19.962,-73.868 -19.883,-73.868 -11.847,-65.831 -11.847,-64.222 -1.93,-54.305 -1.93,-50.267 ; -34.684,94.488 -34.684,99.555 -34.925,99.797 -34.925,101.575 -32.537,103.962 v2(-30.455,103.962) ; v2(-34.112,-99.974) -34.112,-99.619 -29.4,-94.907 ; v2(-34.011,100.101) -34.011,97.231 -33.391,96.611 -33.312,96.611 -31.95,95.249 -31.95,93.074 -31.472,92.596 -31.352,92.596 -29.718,90.962 -29.718,84.963 ; v2(-33.884,95.961) -33.581,95.961 -32.6,94.98 -32.6,92.805 -31.741,91.946 -31.621,91.946 -31.521,91.846 v2(-31.521,87.681) ; v2(-33.655,92.481) -33.147,91.973 v2(-33.147,87.859) ; v2(-32.918,-100) -28.819,-95.9 -28.42,-95.9 -26.2,-93.68 -26.2,-93.382 -24.618,-91.8 -24.32,-91.8 -22.962,-90.441 -22.962,-82.702